# KiCad board Custom ESC.kicad_pcb
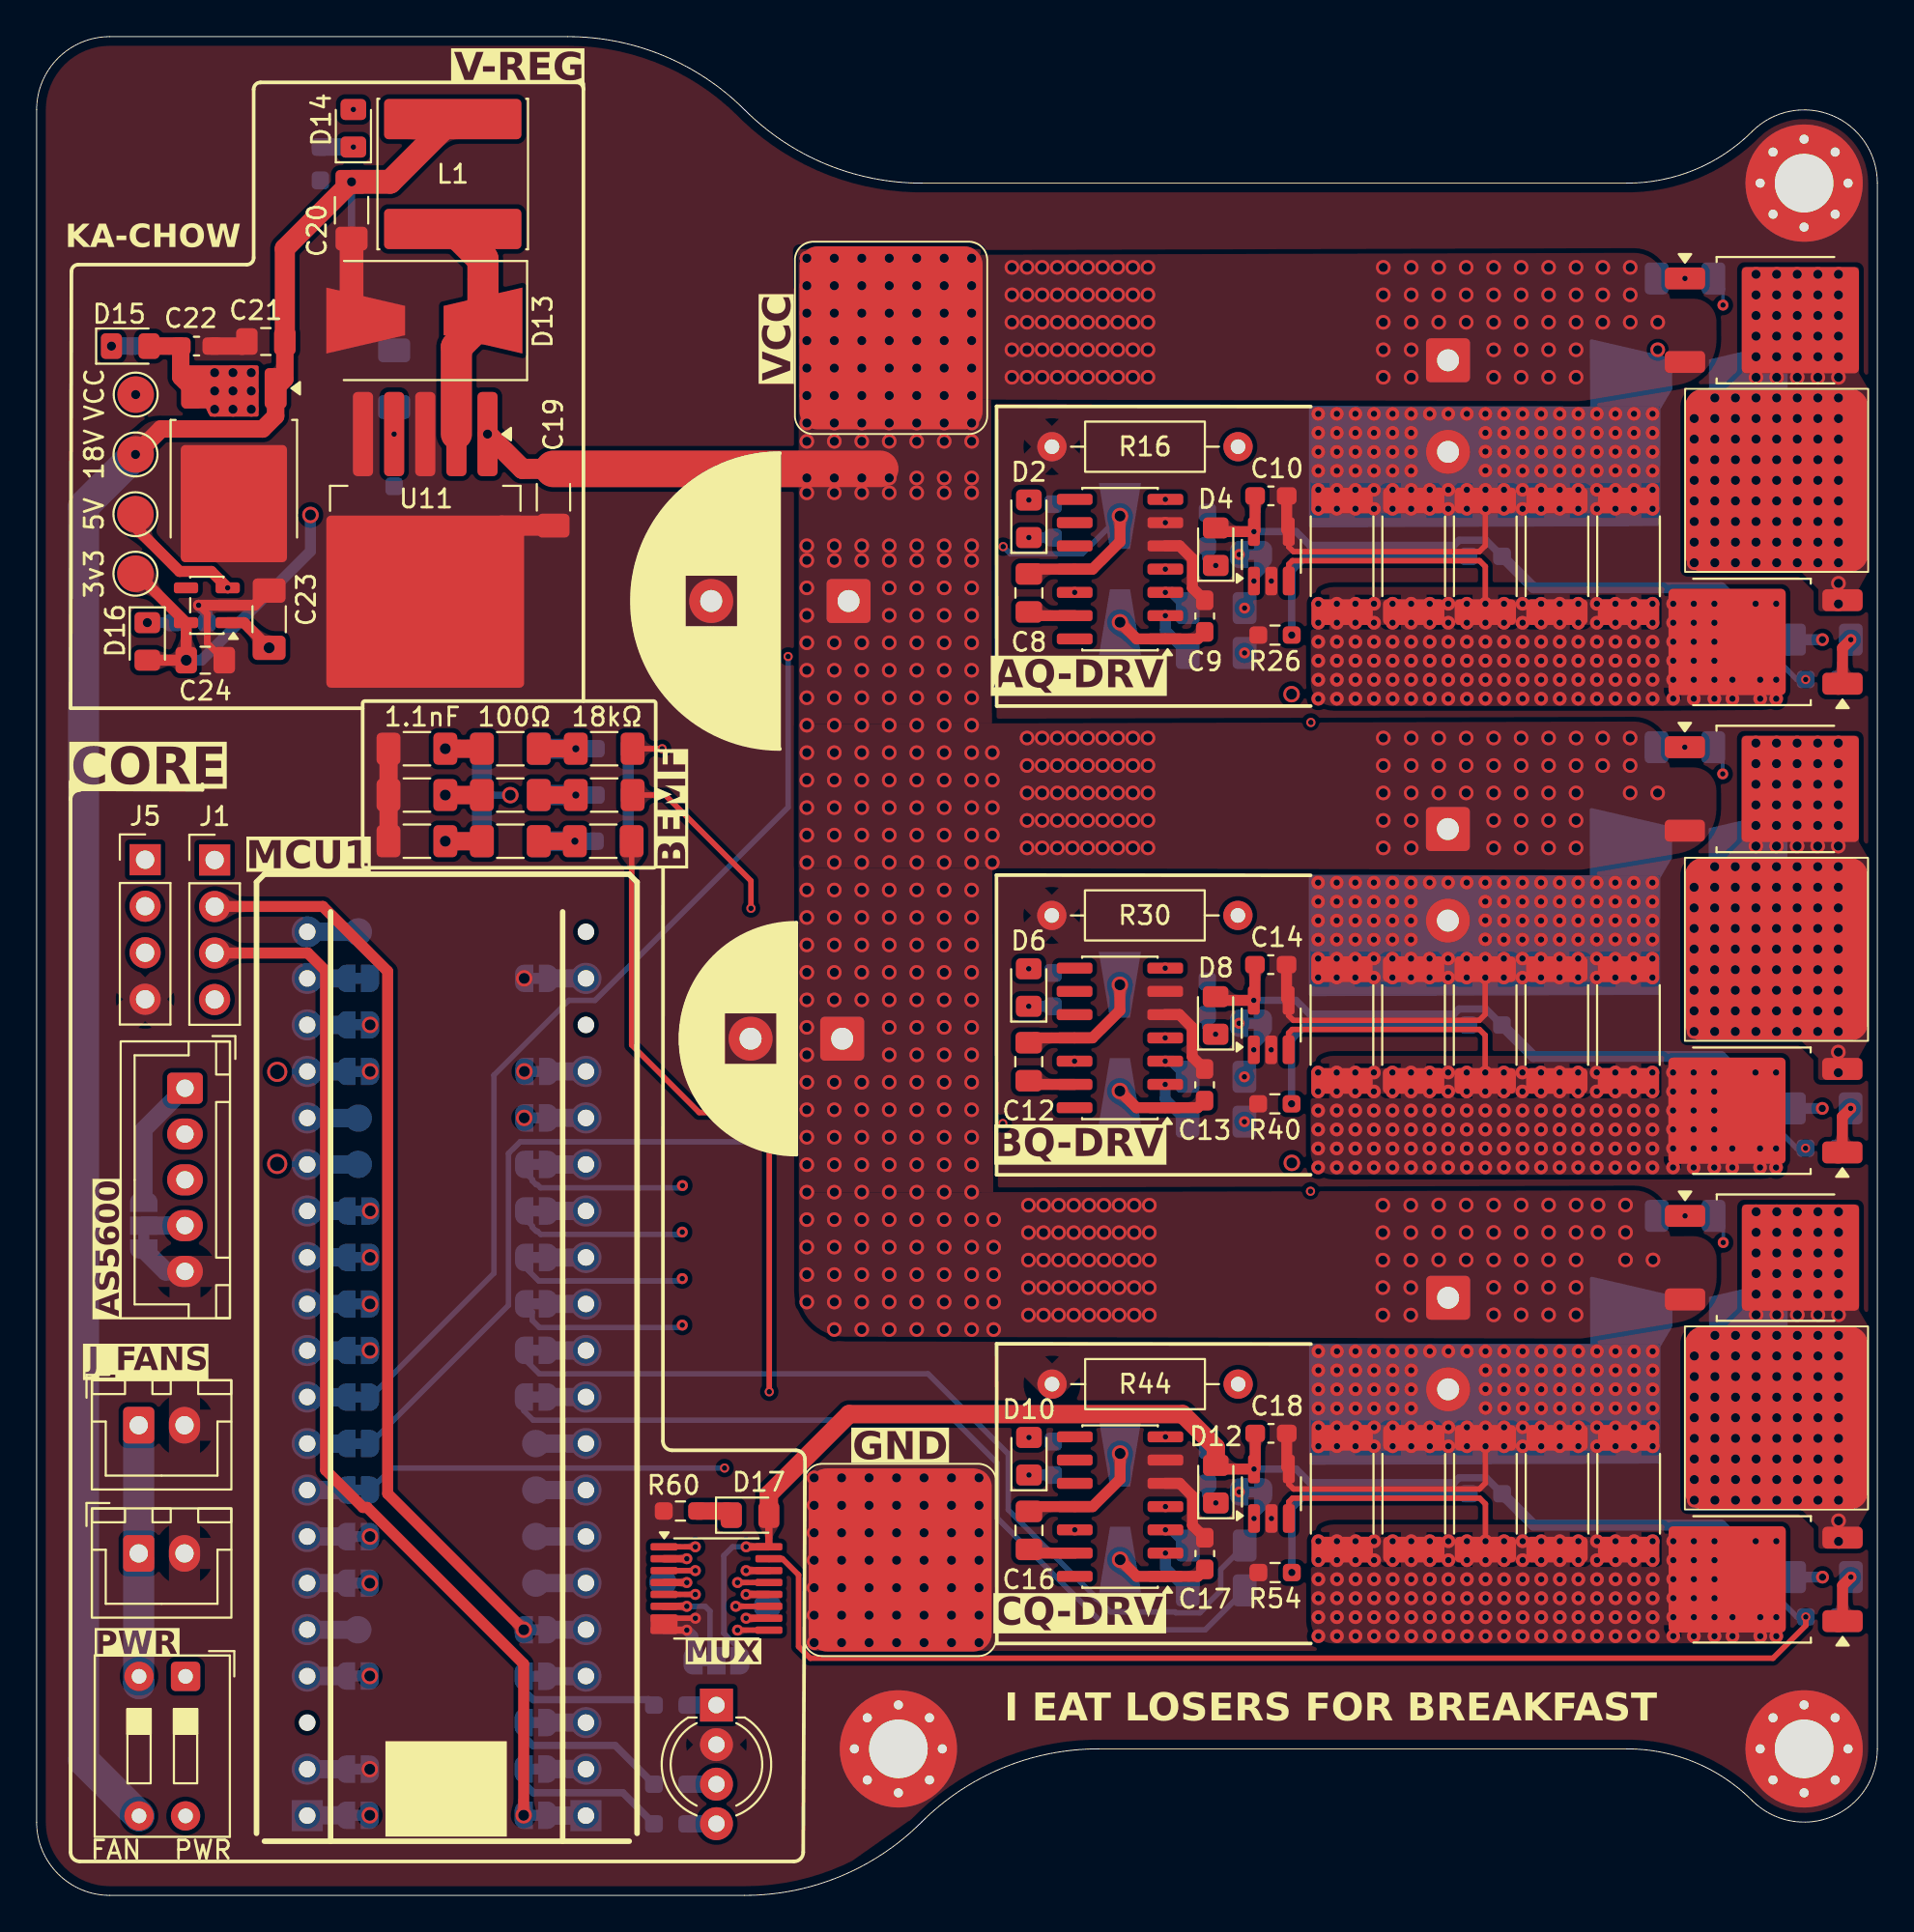
[diagram p0: board, top side]
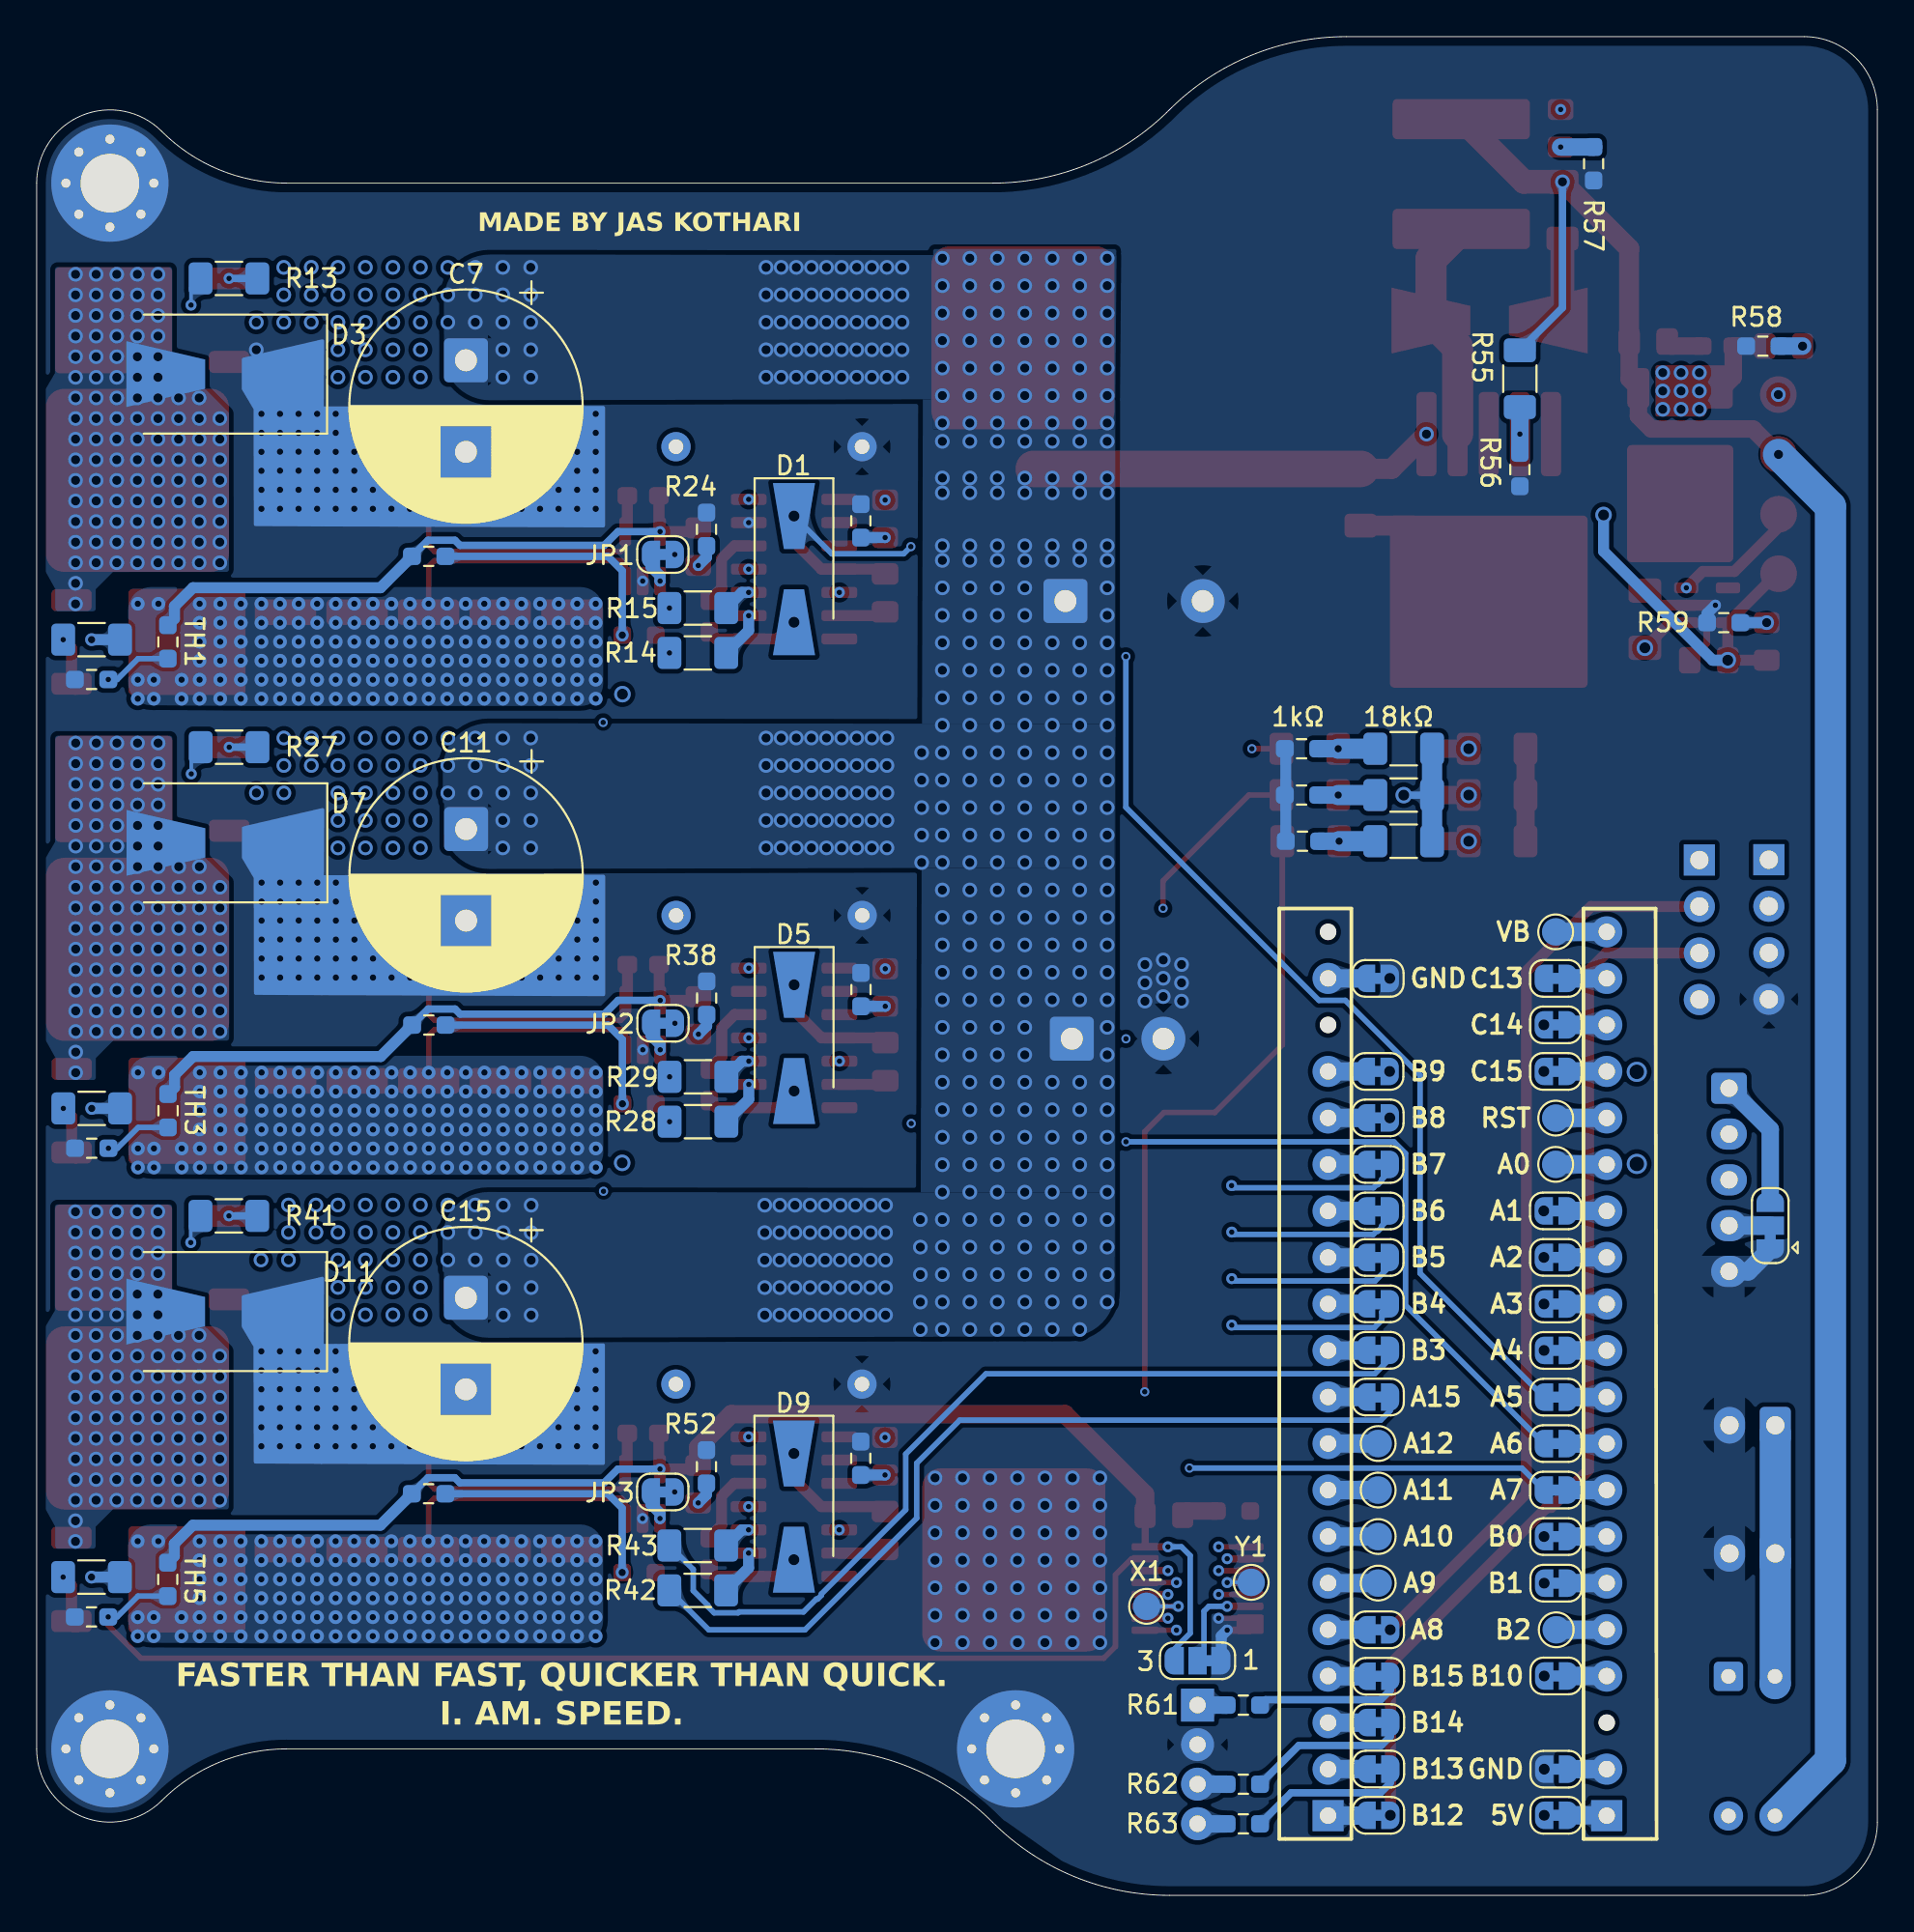
[diagram p1: board, bottom side, seen from below]

Outline 100.5 x 101.5 mm; copper layers: Top, In1.Cu, In2.Cu, In3.Cu, In4.Cu, Bottom. Coordinates in mm from the lower left corner of the outline.
Outline path: 38.65,97.5 arc(34.22,100.46) 29,101.5 4,101.5 arc(1.17,100.33) 0,97.5 0,4 arc(1.17,1.17) 4,0 38.66,0 arc(43.88,1.04) 48.31,4 ; 38.66,97.5 arc(43.09,94.54) 48.31,93.5 86.85,93.5 arc(90.54,94.24) 93.67,96.33 arc(98.03,97.2) 100.5,93.5 100.5,8 arc(98.03,4.3) 93.67,5.17 arc(90.54,7.26) 86.85,8 57.97,8 arc(52.74,6.96) 48.31,4
Stack: Top 0.035mm / dielectric 0.1mm FR4 er 4.5 / In1.Cu 0.035mm / dielectric 0.535mm FR4 er 4.5 / In2.Cu 0.035mm / dielectric 0.1mm FR4 er 4.5 / In3.Cu 0.035mm / dielectric 0.535mm FR4 er 4.5 / In4.Cu 0.035mm / dielectric 0.1mm FR4 er 4.5 / Bottom 0.035mm

## Placement (name value [footprint] x y rotation side)
3V1  TestPoint  [TestPoint_Pad_D2.0mm]  5.39 72.17 0 top
5V1  TestPoint  [TestPoint_Pad_D2.0mm]  5.39 75.42 0 top
18V1  TestPoint  [TestPoint_Pad_D2.0mm]  5.4 78.69 0 top
A1  OUPUT  [10x10]  95 70.77 0 top
B1  OUPUT  [10x10]  94.99 45.16 0 top
C1  OUPUT  [10x10]  94.99 19.57 0 top
C2  1000uf  [CP_Radial_D16.0mm_P7.50mm]  44.33 70.68 180 top
C3  10uf  [CP_Radial_D12.5mm_P5.00mm]  43.98 46.78 180 top
C4  1.1nF  [R_1206_3216Metric_Pad1.30x1.75mm_HandSolder]  20.76 62.61 180 top
C5  1.1nF  [R_1206_3216Metric_Pad1.30x1.75mm_HandSolder]  20.76 60.08 180 top
C6  1.1nF  [R_1206_3216Metric_Pad1.30x1.75mm_HandSolder]  20.76 57.56 180 top
C7  C_Polarized_Small  [CP_Radial_D12.5mm_P5.00mm]  77.06 83.83 270 bottom
C8  0.47uF  [C_0805_2012Metric_Pad1.18x1.45mm_HandSolder]  54.17 71.12 90 top
C9  0.1uF  [C_0603_1608Metric_Pad1.08x0.95mm_HandSolder]  63.78 69.86 90 top
C10  0.1uF  [C_0603_1608Metric_Pad1.08x0.95mm_HandSolder]  67.39 76.42 0 top
C11  C_Polarized_Small  [CP_Radial_D12.5mm_P5.00mm]  77.05 58.23 270 bottom
C12  0.47uF  [C_0805_2012Metric_Pad1.18x1.45mm_HandSolder]  54.17 45.52 90 top
C13  0.1uF  [C_0603_1608Metric_Pad1.08x0.95mm_HandSolder]  63.77 44.26 90 top
C14  0.1uF  [C_0603_1608Metric_Pad1.08x0.95mm_HandSolder]  67.38 50.82 0 top
C15  C_Polarized_Small  [CP_Radial_D12.5mm_P5.00mm]  77.06 32.63 270 bottom
C16  0.47uF  [C_0805_2012Metric_Pad1.18x1.45mm_HandSolder]  54.18 19.93 90 top
C17  0.1uF  [C_0603_1608Metric_Pad1.08x0.95mm_HandSolder]  63.78 18.67 90 top
C18  0.1uF  [C_0603_1608Metric_Pad1.08x0.95mm_HandSolder]  67.39 25.23 0 top
C19  470uF  [R_1206_3216Metric_Pad1.30x1.75mm_HandSolder]  28.22 76.35 270 top
C20  220uF  [R_1206_3216Metric_Pad1.30x1.75mm_HandSolder]  17.19 92.02 270 top
C21  0.33uF  [C_0805_2012Metric_Pad1.18x1.45mm_HandSolder]  12.51 84.85 180 top
C22  0.1uF  [C_0603_1608Metric_Pad1.08x0.95mm_HandSolder]  8.73 84.6 0 top
C23  1uF  [C_1206_3216Metric_Pad1.33x1.80mm_HandSolder]  12.69 69.69 90 top
C24  0.47uF  [C_0805_2012Metric_Pad1.18x1.45mm_HandSolder]  9.21 67.45 180 top
D1  ES1C  [D_SMA-SMB_Universal_Handsoldering]  59.15 72.42 270 bottom
D2  LED_Small_Filled  [LED_0805_2012Metric_Pad1.15x1.40mm_HandSolder]  54.17 75.17 90 top
D3  D_TVS_Filled  [D_SMB-SMC_Universal_Handsoldering]  90.25 83.07 0 bottom
D4  LED_Small_Filled  [LED_0805_2012Metric_Pad1.15x1.40mm_HandSolder]  64.38 73.65 90 top
D5  ES1C  [D_SMA-SMB_Universal_Handsoldering]  59.14 46.82 270 bottom
D6  LED_Small_Filled  [LED_0805_2012Metric_Pad1.15x1.40mm_HandSolder]  54.17 49.57 90 top
D7  D_TVS_Filled  [D_SMB-SMC_Universal_Handsoldering]  90.24 57.47 0 bottom
D8  LED_Small_Filled  [LED_0805_2012Metric_Pad1.15x1.40mm_HandSolder]  64.37 48.05 90 top
D9  ES1C  [D_SMA-SMB_Universal_Handsoldering]  59.16 21.23 270 bottom
D10  LED_Small_Filled  [LED_0805_2012Metric_Pad1.15x1.40mm_HandSolder]  54.18 23.98 90 top
D11  D_TVS_Filled  [D_SMB-SMC_Universal_Handsoldering]  90.25 31.88 0 bottom
D12  LED_Small_Filled  [LED_0805_2012Metric_Pad1.15x1.40mm_HandSolder]  64.38 22.45 90 top
D13  SS34  [D_SMB-SMC_Universal_Handsoldering]  21.17 86 180 top
D14  LED_Small_Filled  [LED_0805_2012Metric_Pad1.15x1.40mm_HandSolder]  17.29 96.5 90 top
D15  LED_Small_Filled  [LED_0805_2012Metric_Pad1.15x1.40mm_HandSolder]  5.11 84.6 0 top
D16  LED_Small_Filled  [LED_0805_2012Metric_Pad1.15x1.40mm_HandSolder]  6.04 68.47 270 top
D17  LED_Small_Filled  [LED_0805_2012Metric_Pad1.15x1.40mm_HandSolder]  38.95 20.76 0 top
D18  LED_RAGB  [LED_D5.0mm-4_RGB_Wide_Pins]  37.12 10.39 270 top
G***  -  [LOGO]  14.25 61.2 0 top
G***#2  -  [LOGO]  6.39 95.47 27.5 top
GND  GND  [10x10]  47.15 11.82 0 top
J1  Conn_01x04_Pin  [PinHeader_1x04_P2.54mm_Vertical]  9.72 56.54 0 top
J2  Conn_01x02_Socket  [JST_XH_B2B-XH-A_1x02_P2.50mm_Vertical]  5.57 25.67 0 top
J3  Conn_01x05_Pin  [JST_XH_B5B-XH-A_1x05_P2.50mm_Vertical]  8.1 44.07 270 top
J4  Conn_01x02_Socket  [JST_XH_B2B-XH-A_1x02_P2.50mm_Vertical]  5.57 18.67 0 top
J5  Conn_01x04_Pin  [PinHeader_1x04_P2.54mm_Vertical]  5.92 56.55 0 top
JP1  SolderJumper_2_Bridged  [SolderJumper-2_P1.3mm_Bridged_RoundedPad1.0x1.5mm]  66.31 73.22 180 bottom
JP2  SolderJumper_2_Bridged  [SolderJumper-2_P1.3mm_Bridged_RoundedPad1.0x1.5mm]  66.3 47.62 180 bottom
JP3  SolderJumper_2_Bridged  [SolderJumper-2_P1.3mm_Bridged_RoundedPad1.0x1.5mm]  66.31 22.03 180 bottom
JP4  SolderJumper_2_Bridged  [SolderJumper-2_P1.3mm_Bridged_RoundedPad1.0x1.5mm]  27.24 4.37 0 bottom
JP5  SolderJumper_2_Bridged  [SolderJumper-2_P1.3mm_Bridged_RoundedPad1.0x1.5mm]  17.54 4.37 180 bottom
JP6  SolderJumper_2_Bridged  [SolderJumper-2_P1.3mm_Bridged_RoundedPad1.0x1.5mm]  27.24 6.9 0 bottom
JP7  SolderJumper_2_Bridged  [SolderJumper-2_P1.3mm_Bridged_RoundedPad1.0x1.5mm]  17.54 6.89 180 bottom
JP8  SolderJumper_2_Bridged  [SolderJumper-2_P1.3mm_Bridged_RoundedPad1.0x1.5mm]  27.24 9.44 0 bottom
JP9  SolderJumper_2_Bridged  [SolderJumper-2_P1.3mm_Bridged_RoundedPad1.0x1.5mm]  27.24 11.97 0 bottom
JP10  SolderJumper_2_Bridged  [SolderJumper-2_P1.3mm_Bridged_RoundedPad1.0x1.5mm]  17.54 11.98 180 bottom
JP11  SolderJumper_2_Bridged  [SolderJumper-2_P1.3mm_Bridged_RoundedPad1.0x1.5mm]  27.25 14.5 0 bottom
JP12  SolderJumper_2_Bridged  [SolderJumper-2_P1.3mm_Bridged_RoundedPad1.0x1.5mm]  17.54 17.05 180 bottom
JP13  SolderJumper_2_Bridged  [SolderJumper-2_P1.3mm_Bridged_RoundedPad1.0x1.5mm]  17.55 19.59 180 bottom
JP14  SolderJumper_2_Bridged  [SolderJumper-2_P1.3mm_Bridged_RoundedPad1.0x1.5mm]  17.56 22.13 180 bottom
JP15  SolderJumper_2_Bridged  [SolderJumper-2_P1.3mm_Bridged_RoundedPad1.0x1.5mm]  17.56 24.67 180 bottom
JP16  SolderJumper_2_Bridged  [SolderJumper-2_P1.3mm_Bridged_RoundedPad1.0x1.5mm]  27.26 27.21 0 bottom
JP17  SolderJumper_2_Bridged  [SolderJumper-2_P1.3mm_Bridged_RoundedPad1.0x1.5mm]  17.55 27.21 180 bottom
JP18  SolderJumper_2_Bridged  [SolderJumper-2_P1.3mm_Bridged_RoundedPad1.0x1.5mm]  27.26 29.76 0 bottom
JP19  SolderJumper_2_Bridged  [SolderJumper-2_P1.3mm_Bridged_RoundedPad1.0x1.5mm]  17.55 29.76 180 bottom
JP20  SolderJumper_2_Bridged  [SolderJumper-2_P1.3mm_Bridged_RoundedPad1.0x1.5mm]  27.27 32.3 0 bottom
JP21  SolderJumper_2_Bridged  [SolderJumper-2_P1.3mm_Bridged_RoundedPad1.0x1.5mm]  17.55 32.29 180 bottom
JP22  SolderJumper_2_Bridged  [SolderJumper-2_P1.3mm_Bridged_RoundedPad1.0x1.5mm]  27.27 34.83 0 bottom
JP23  SolderJumper_2_Bridged  [SolderJumper-2_P1.3mm_Bridged_RoundedPad1.0x1.5mm]  17.56 34.84 180 bottom
JP24  SolderJumper_3_Bridged12  [SolderJumper-3_P1.3mm_Bridged12_RoundedPad1.0x1.5mm_NumberLabels]  37.12 12.81 0 bottom
JP25  SolderJumper_2_Bridged  [SolderJumper-2_P1.3mm_Bridged_RoundedPad1.0x1.5mm]  27.27 37.37 0 bottom
JP26  SolderJumper_2_Bridged  [SolderJumper-2_P1.3mm_Bridged_RoundedPad1.0x1.5mm]  17.57 37.38 180 bottom
JP27  SolderJumper_2_Bridged  [SolderJumper-2_P1.3mm_Bridged_RoundedPad1.0x1.5mm]  27.27 39.91 0 bottom
JP28  SolderJumper_2_Bridged  [SolderJumper-2_P1.3mm_Bridged_RoundedPad1.0x1.5mm]  27.27 42.46 0 bottom
JP29  SolderJumper_2_Bridged  [SolderJumper-2_P1.3mm_Bridged_RoundedPad1.0x1.5mm]  27.28 44.99 0 bottom
JP30  SolderJumper_2_Bridged  [SolderJumper-2_P1.3mm_Bridged_RoundedPad1.0x1.5mm]  17.56 44.99 180 bottom
JP31  SolderJumper_2_Bridged  [SolderJumper-2_P1.3mm_Bridged_RoundedPad1.0x1.5mm]  17.56 47.54 180 bottom
JP32  SolderJumper_2_Bridged  [SolderJumper-2_P1.3mm_Bridged_RoundedPad1.0x1.5mm]  27.27 50.07 0 bottom
JP33  SolderJumper_2_Bridged  [SolderJumper-2_P1.3mm_Bridged_RoundedPad1.0x1.5mm]  17.56 50.07 180 bottom
JP34  SolderJumper_3_Bridged12  [SolderJumper-3_P1.3mm_Bridged12_RoundedPad1.0x1.5mm]  5.85 36.57 90 bottom
L1  68uH  [L_Changjiang_FNR8040S]  22.72 94 90 top
MCU1  U?  [STM32F4x1CxU6 WeActStudio]  23.59 22.51 90 top
Q1  DMT10H009LK3-13  [TO-252-2]  95.03 86.02 0 top
Q2  DMT10H009LK3-13  [TO-252-2]  93.56 68.45 180 top
Q3  DMT10H009LK3-13  [TO-252-2]  95.03 60.42 0 top
Q4  DMT10H009LK3-13  [TO-252-2]  93.55 42.85 180 top
Q5  DMT10H009LK3-13  [TO-252-2]  95.04 34.82 0 top
Q6  DMT10H009LK3-13  [TO-252-2]  93.56 17.25 180 top
R1  18kΩ  [R_1206_3216Metric_Pad1.30x1.75mm_HandSolder]  25.86 62.61 0 bottom
R2  18kΩ  [R_1206_3216Metric_Pad1.30x1.75mm_HandSolder]  25.86 60.08 0 bottom
R3  18kΩ  [R_1206_3216Metric_Pad1.30x1.75mm_HandSolder]  25.86 57.56 0 bottom
R4  100Ω  [R_1206_3216Metric_Pad1.30x1.75mm_HandSolder]  25.86 62.61 0 top
R5  18kΩ  [R_1206_3216Metric_Pad1.30x1.75mm_HandSolder]  30.99 62.61 0 top
R6  100Ω  [R_1206_3216Metric_Pad1.30x1.75mm_HandSolder]  25.86 60.08 0 top
R7  18kΩ  [R_1206_3216Metric_Pad1.30x1.75mm_HandSolder]  30.99 60.08 0 top
R8  100Ω  [R_1206_3216Metric_Pad1.30x1.75mm_HandSolder]  25.86 57.56 0 top
R9  18kΩ  [R_1206_3216Metric_Pad1.30x1.75mm_HandSolder]  30.94 57.56 0 top
R10  1kΩ  [R_0603_1608Metric_Pad0.98x0.95mm_HandSolder]  31.44 62.61 180 bottom
R11  1kΩ  [R_0603_1608Metric_Pad0.98x0.95mm_HandSolder]  31.44 60.08 180 bottom
R12  1kΩ  [R_0603_1608Metric_Pad0.98x0.95mm_HandSolder]  31.39 57.56 180 bottom
R13  10Ω  [R_1206_3216Metric_Pad1.30x1.75mm_HandSolder]  90 88.3 180 bottom
R14  100Ω  [R_1206_3216Metric_Pad1.30x1.75mm_HandSolder]  64.4 67.85 180 bottom
R15  100Ω  [R_1206_3216Metric_Pad1.30x1.75mm_HandSolder]  64.4 70.3 180 bottom
R16  THT  [R_Axial_DIN0207_L6.3mm_D2.5mm_P10.16mm_Horizontal]  55.43 79.11 0 top
R17  10Ω  [R_1206_3216Metric_Pad1.30x1.75mm_HandSolder]  97.5 68.57 0 bottom
R18  330Ω  [R_0603_1608Metric_Pad0.98x0.95mm_HandSolder]  55.5 75.06 270 bottom
R19  5mΩ  [R_2512_6332Metric_Pad1.40x3.35mm_HandSolder]  71.28 73.12 90 top
R20  5mΩ  [R_2512_6332Metric_Pad1.40x3.35mm_HandSolder]  75.19 73.12 90 top
R21  5mΩ  [R_2512_6332Metric_Pad1.40x3.35mm_HandSolder]  79.09 73.12 90 top
R22  5mΩ  [R_2512_6332Metric_Pad1.40x3.35mm_HandSolder]  83 73.12 90 top
R23  5mΩ  [R_2512_6332Metric_Pad1.40x3.35mm_HandSolder]  86.91 73.12 90 top
R24  330Ω  [R_0603_1608Metric_Pad0.98x0.95mm_HandSolder]  63.92 74.6 270 bottom
R25  10kΩ  [R_0603_1608Metric_Pad0.98x0.95mm_HandSolder]  97.5 66.4 0 bottom
R26  10kΩ  [R_0603_1608Metric_Pad0.98x0.95mm_HandSolder]  67.61 68.82 180 top
R27  10Ω  [R_1206_3216Metric_Pad1.30x1.75mm_HandSolder]  89.99 62.7 180 bottom
R28  100Ω  [R_1206_3216Metric_Pad1.30x1.75mm_HandSolder]  64.39 42.25 180 bottom
R29  100Ω  [R_1206_3216Metric_Pad1.30x1.75mm_HandSolder]  64.39 44.7 180 bottom
R30  THT  [R_Axial_DIN0207_L6.3mm_D2.5mm_P10.16mm_Horizontal]  55.43 53.51 0 top
R31  10Ω  [R_1206_3216Metric_Pad1.30x1.75mm_HandSolder]  97.49 42.97 0 bottom
R32  330Ω  [R_0603_1608Metric_Pad0.98x0.95mm_HandSolder]  55.49 49.46 270 bottom
R33  5mΩ  [R_2512_6332Metric_Pad1.40x3.35mm_HandSolder]  71.27 47.53 90 top
R34  5mΩ  [R_2512_6332Metric_Pad1.40x3.35mm_HandSolder]  75.18 47.53 90 top
R35  5mΩ  [R_2512_6332Metric_Pad1.40x3.35mm_HandSolder]  79.09 47.53 90 top
R36  5mΩ  [R_2512_6332Metric_Pad1.40x3.35mm_HandSolder]  83 47.53 90 top
R37  5mΩ  [R_2512_6332Metric_Pad1.40x3.35mm_HandSolder]  86.91 47.53 90 top
R38  330Ω  [R_0603_1608Metric_Pad0.98x0.95mm_HandSolder]  63.92 49 270 bottom
R39  10kΩ  [R_0603_1608Metric_Pad0.98x0.95mm_HandSolder]  97.49 40.8 0 bottom
R40  10kΩ  [R_0603_1608Metric_Pad0.98x0.95mm_HandSolder]  67.6 43.22 180 top
R41  10Ω  [R_1206_3216Metric_Pad1.30x1.75mm_HandSolder]  90 37.1 180 bottom
R42  100Ω  [R_1206_3216Metric_Pad1.30x1.75mm_HandSolder]  64.41 16.65 180 bottom
R43  100Ω  [R_1206_3216Metric_Pad1.30x1.75mm_HandSolder]  64.41 19.1 180 bottom
R44  THT  [R_Axial_DIN0207_L6.3mm_D2.5mm_P10.16mm_Horizontal]  55.44 27.92 0 top
R45  10Ω  [R_1206_3216Metric_Pad1.30x1.75mm_HandSolder]  97.5 17.38 0 bottom
R46  330Ω  [R_0603_1608Metric_Pad0.98x0.95mm_HandSolder]  55.5 23.87 270 bottom
R47  5mΩ  [R_2512_6332Metric_Pad1.40x3.35mm_HandSolder]  71.28 21.93 90 top
R48  5mΩ  [R_2512_6332Metric_Pad1.40x3.35mm_HandSolder]  75.19 21.93 90 top
R49  5mΩ  [R_2512_6332Metric_Pad1.40x3.35mm_HandSolder]  79.1 21.93 90 top
R50  5mΩ  [R_2512_6332Metric_Pad1.40x3.35mm_HandSolder]  83.01 21.93 90 top
R51  5mΩ  [R_2512_6332Metric_Pad1.40x3.35mm_HandSolder]  86.92 21.93 90 top
R52  330Ω  [R_0603_1608Metric_Pad0.98x0.95mm_HandSolder]  63.93 23.4 270 bottom
R53  10kΩ  [R_0603_1608Metric_Pad0.98x0.95mm_HandSolder]  97.5 15.2 0 bottom
R54  10kΩ  [R_0603_1608Metric_Pad0.98x0.95mm_HandSolder]  67.62 17.63 180 top
R55  14kΩ  [R_1206_3216Metric_Pad1.30x1.75mm_HandSolder]  19.52 82.82 90 bottom
R56  1kΩ  [R_0603_1608Metric_Pad0.98x0.95mm_HandSolder]  19.52 77.86 90 bottom
R57  330Ω  [R_0603_1608Metric_Pad0.98x0.95mm_HandSolder]  15.49 94.56 90 bottom
R58  330Ω  [R_0603_1608Metric_Pad0.98x0.95mm_HandSolder]  6.25 84.6 180 bottom
R59  330Ω  [R_0603_1608Metric_Pad0.98x0.95mm_HandSolder]  8.39 69.5 180 bottom
R60  330Ω  [R_0603_1608Metric_Pad0.98x0.95mm_HandSolder]  35.15 20.99 0 top
R61  330Ω  [R_0603_1608Metric_Pad0.98x0.95mm_HandSolder]  34.62 10.39 180 bottom
R62  470Ω  [R_0603_1608Metric_Pad0.98x0.95mm_HandSolder]  34.62 6.07 180 bottom
R63  47Ω  [R_0603_1608Metric_Pad0.98x0.95mm_HandSolder]  34.62 3.91 180 bottom
REF**  -  [MountingHole_3.2mm_M3_Pad_Via]  47.05 8 0 top
REF**#2  -  [MountingHole_3.2mm_M3_Pad_Via]  96.5 93.5 0 top
REF**#3  -  [MountingHole_3.2mm_M3_Pad_Via]  96.5 8 0 top
SW1  SW_DIP_x02  [SW_DIP_SPSTx02_Slide_9.78x7.26mm_W7.62mm_P2.54mm]  8.13 11.96 270 top
TH1  NCU18XH103F6SRB  [R_0603_1608Metric_Pad0.98x0.95mm_HandSolder]  93.34 68.45 270 bottom
TH2  NCU18XH103F6SRB  [R_0603_1608Metric_Pad0.98x0.95mm_HandSolder]  79.09 73.12 180 bottom
TH3  NCU18XH103F6SRB  [R_0603_1608Metric_Pad0.98x0.95mm_HandSolder]  93.33 42.85 270 bottom
TH4  NCU18XH103F6SRB  [R_0603_1608Metric_Pad0.98x0.95mm_HandSolder]  79.09 47.53 180 bottom
TH5  NCU18XH103F6SRB  [R_0603_1608Metric_Pad0.98x0.95mm_HandSolder]  93.34 17.25 270 bottom
TH6  NCU18XH103F6SRB  [R_0603_1608Metric_Pad0.98x0.95mm_HandSolder]  79.1 21.93 180 bottom
TP1  TestPoint  [TestPoint_Pad_D1.5mm]  17.53 14.5 180 bottom
TP2  TestPoint  [TestPoint_Pad_D1.5mm]  27.25 17.05 270 bottom
TP3  TestPoint  [TestPoint_Pad_D1.5mm]  27.25 19.59 0 bottom
TP4  TestPoint  [TestPoint_Pad_D1.5mm]  27.25 22.13 0 bottom
TP5  TestPoint  [TestPoint_Pad_D1.5mm]  27.25 24.67 0 bottom
TP6  TestPoint  [TestPoint_Pad_D1.5mm]  17.56 39.92 180 bottom
TP7  TestPoint  [TestPoint_Pad_D1.5mm]  17.56 42.44 180 bottom
TP8  TestPoint  [TestPoint_Pad_D1.5mm]  17.56 52.61 180 bottom
U1  IR21084  [SOIC-14_3.9x8.7mm_P1.27mm]  59.15 72.42 180 top
U2  INA180A2  [SOT-23-5_HandSoldering]  67.41 73.12 90 top
U3  IR21084  [SOIC-14_3.9x8.7mm_P1.27mm]  59.14 46.82 180 top
U4  INA180A2  [SOT-23-5_HandSoldering]  67.4 47.52 90 top
U5  IR21084  [SOIC-14_3.9x8.7mm_P1.27mm]  59.16 21.23 180 top
U6  INA180A2  [SOT-23-5_HandSoldering]  67.42 21.93 90 top
U11  LM2596S-ADJ  [TO-263-5_TabPin3]  21.22 72.15 270 top
U14  SL78M05  [TO-252-2]  10.77 77.26 270 top
U15  ET52333  [SOT-23-5]  9.29 70.45 180 top
U16  CD4052B  [TSSOP-16_4.4x5mm_P0.65mm]  37.12 16.76 0 top
VCC  VCC  [10x10]  46.65 78.55 0 top
VCC2  TestPoint  [TestPoint_Pad_D2.0mm]  5.41 81.95 0 top
X1  TestPoint  [TestPoint_Pad_D1.5mm]  39.9 15.78 180 bottom
Y1  TestPoint  [TestPoint_Pad_D1.5mm]  34.19 17.09 180 bottom

## Library data of the parts
3V1 = -: Description: test point; Name: 3v3; ki_fp_filters: Pin* Test*
5V1 = -: Description: test point; Name: 5V; ki_fp_filters: Pin* Test*
18V1 = -: Description: test point; Name: 18V; ki_fp_filters: Pin* Test*
A1 = -: Description: test point; Name: A; ki_fp_filters: Pin* Test*
B1 = -: Description: test point; Name: B; ki_fp_filters: Pin* Test*
C1 = -: Description: test point; Name: C; ki_fp_filters: Pin* Test*
C2 C3 C7 C11 C15 = -: Description: Polarized capacitor, small symbol; KiLib_Generator: capacitor/THT/other; ki_fp_filters: CP_*
C4-C6 C9 C10 C13 C14 C17-C20 C22 C23 = -: Description: Unpolarized capacitor, small symbol; KiLib_Generator: SMD_2terminal_chip_molded; ki_fp_filters: C_*
C8 C12 C16 C24 = -: Datasheet: https://robu.in/wp-content/uploads/2024/09/C346225.pdf; Description: Unpolarized capacitor, small symbol; KiLib_Generator: SMD_2terminal_chip_molded; ki_fp_filters: C_*
C21 = -: Datasheet: https://robu.in/wp-content/uploads/2024/06/C107132.pdf; Description: Unpolarized capacitor, small symbol; KiLib_Generator: SMD_2terminal_chip_molded; ki_fp_filters: C_*
D1 D5 D9 = -: Datasheet: https://www.onsemi.com/pdf/datasheet/es1d-d.pdf; Description: 150V 1A 920 mV @ 1 A 15 ns; Sim.Device: D; Sim.Pins: 1=K 2=A; ki_fp_filters: TO-???* *_Diode_* *SingleDiode* D_*
D2 D4 D6 D8 D10 D12 D14-D17 = -: Description: Light emitting diode, small symbol, filled shape; KiLib_Generator: SMD_2terminal_chip_molded; Sim.Pins: 1=K 2=A; ki_fp_filters: LED* LED_SMD:* LED_THT:*
D3 D7 D11 = -: Datasheet: https://www.littelfuse.com/assetdocs/littelfuse_tvs_diode_smcj_datasheet.pdf?assetguid=37388813-0d6d-4329-969b-1aa8b7614ac1; Description: Bidirectional transient-voltage-suppression diode, filled shape; ki_fp_filters: TO-???* *_Diode_* *SingleDiode* D_*
D13 = -: Description: Diode, small symbol, filled shape; Sim.Device: D; Sim.Pins: 1=K 2=A; ki_fp_filters: TO-???* *_Diode_* *SingleDiode* D_*
D18 = -: Description: RGB LED, red/anode/green/blue; ki_fp_filters: LED* LED_SMD:* LED_THT:*